# Altium PCB STM32G474CBT6_PCB.PcbDoc
Units mil, origin at the board's own origin, x right, y up, seen from the top; angles counter-clockwise.
Board outline 2260 x 2970 mil, 2 copper layers (Top Layer, Bottom Layer); 56 components, 45 nets, 172 pads, 421 vias.
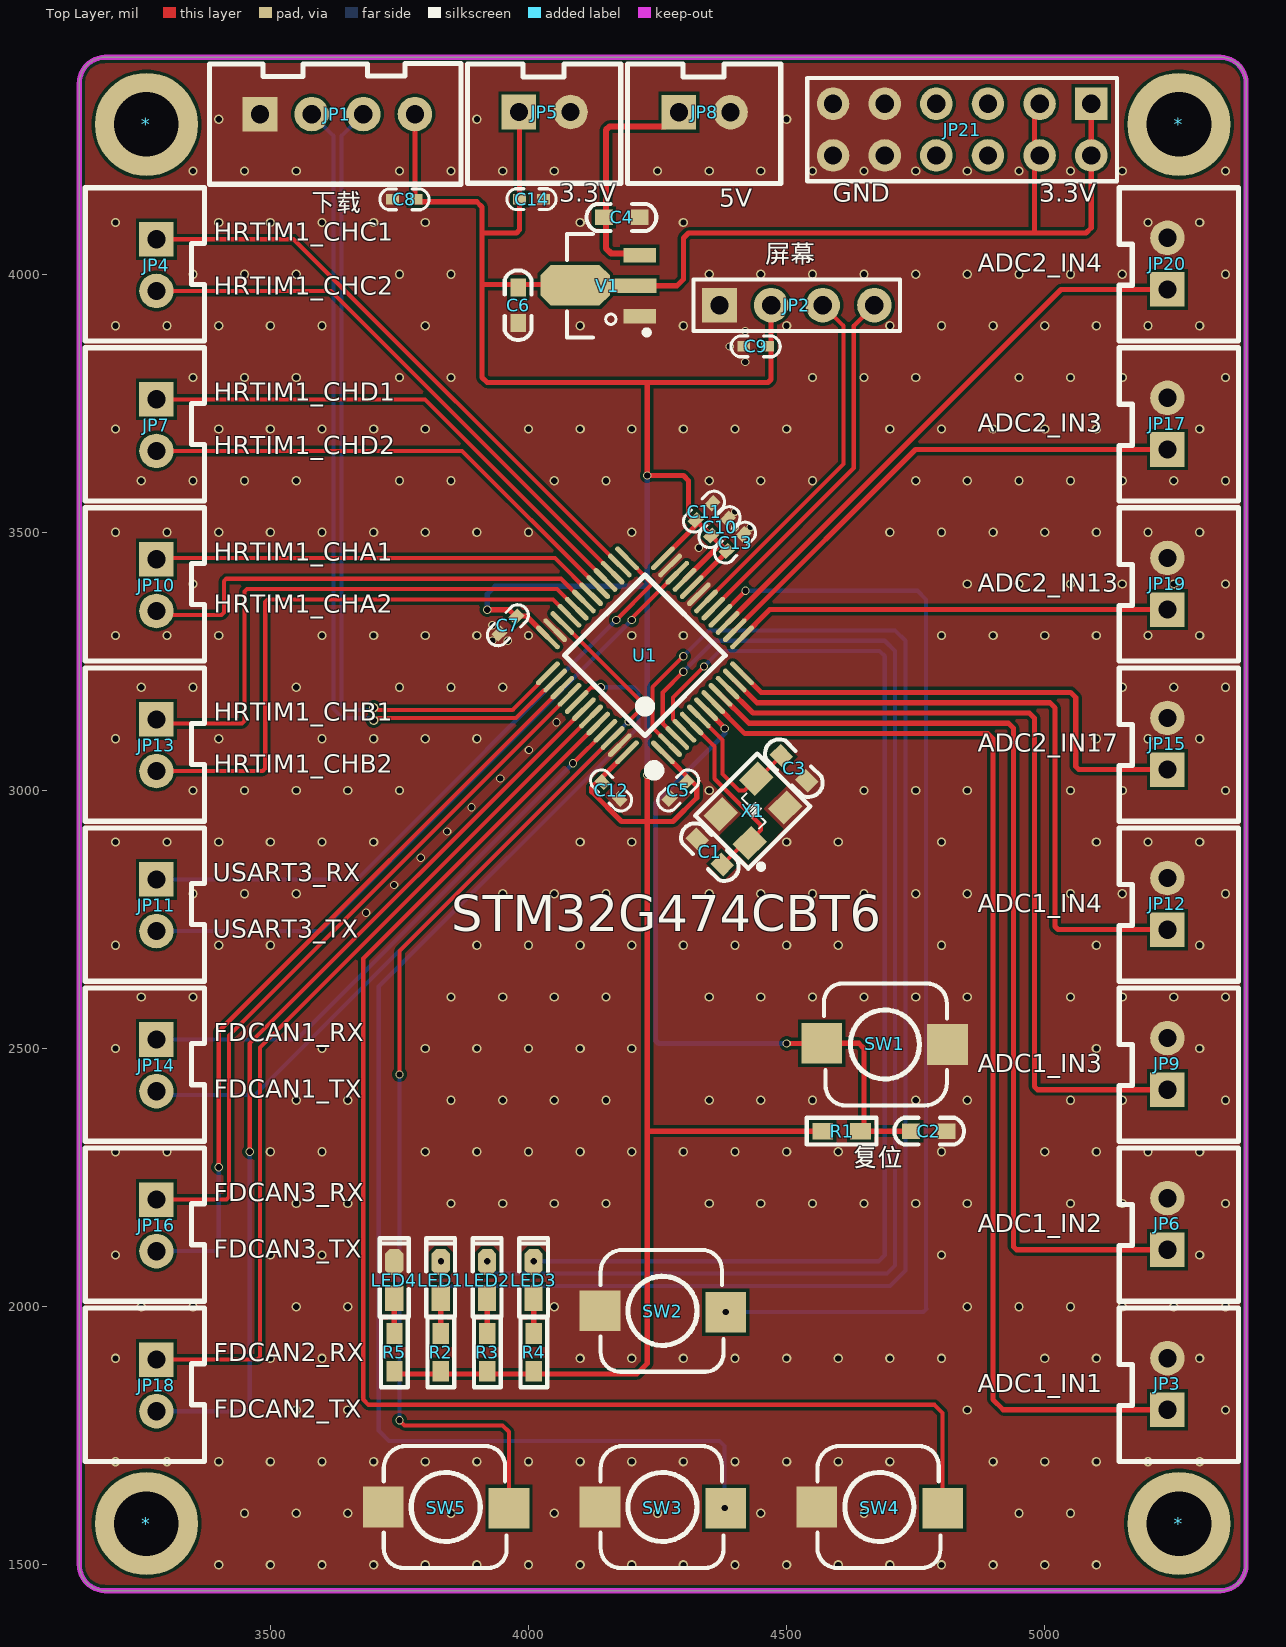
[diagram p0: Top Layer view]
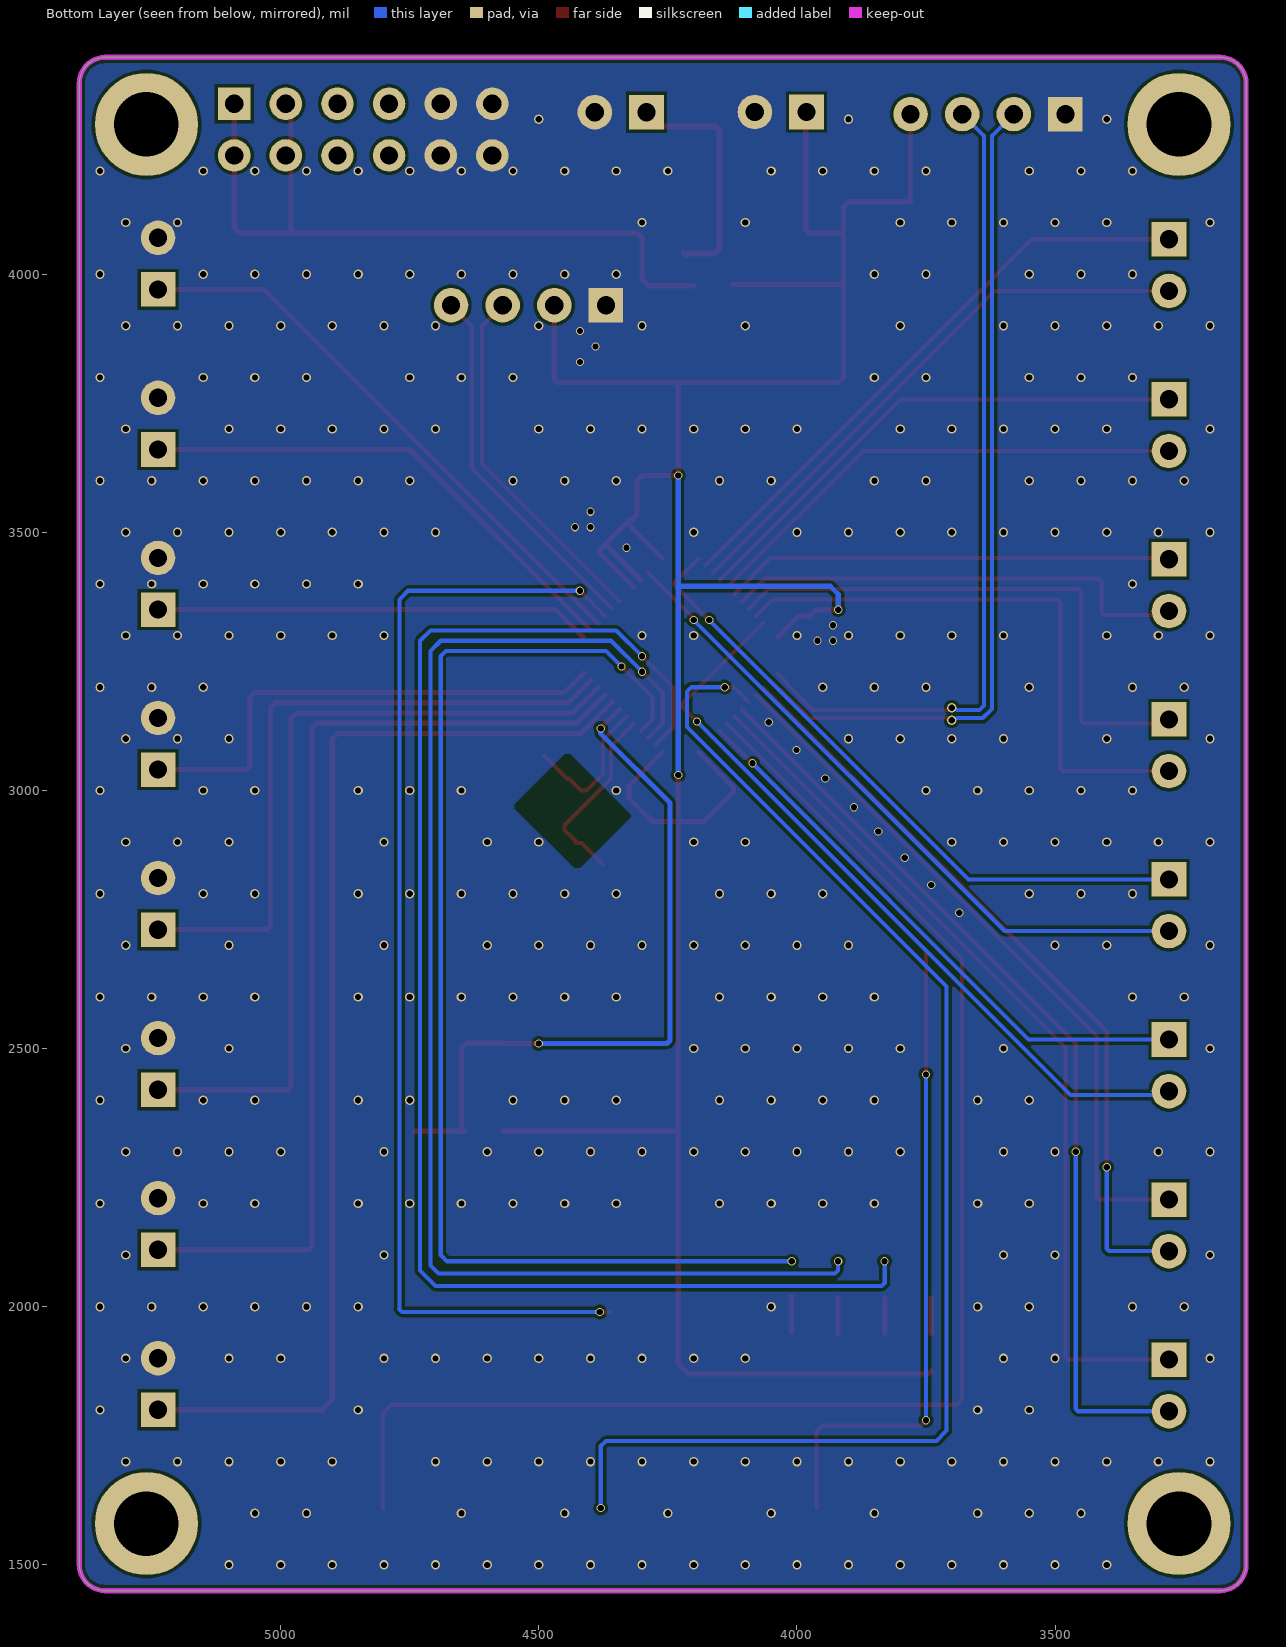
[diagram p1: Bottom Layer view, seen from below]

## Layer stack, top to bottom
Top Solder: solder mask 0.4, Solder Resist, Dk 3.5
Top Layer: signal copper 1.4
Dielectric 1: dielectric 12.6, FR-4, Dk 4.8
Bottom Layer: signal copper 1.4
Bottom Solder: solder mask 0.4, Solder Resist, Dk 3.5

## Board outline
3130,1500 3130,4370 cw(c3180,4370) 3180,4420 5340,4420 cw(c5340,4370) 5390,4370 5390,1500 cw(c5340,1500) 5340,1450 3180,1450 cw(c3180,1500)

## Design rules (kind name [scope] priority, off if disabled: settings)
Clearance [All] p1: gap=6 ignorepadtopadclearanceinfootprint=FALSE
DiffPairsRouting [All] p1: maxlimit=8 minlimit=8 mostfreqgap=8 toplayer_minwidth=8 toplayer_maxwidth=30 toplayer_prefwidth=8 bottomlayer_minwidth=8 bottomlayer_maxwidth=30 bottomlayer_prefwidth=8 maxuncoupledlength=500
PlaneConnect [All] p1: planeconnectstyle=Direct reliefexpansion=20 reliefentries=4 reliefconductorwidth=10 reliefairgap=10
PolygonConnect [All] p1: connectstyle=Direct reliefconductorwidth=10 reliefentries=4 polygonreliefangle="90 Angle" airgapwidth=10
RoutingVias [All] p1: holewidth=13 width=18 viastyle="Through Hole" minholewidth=13 minwidth=18 maxholewidth=13 maxwidth=18
SolderMaskExpansion [All] p1: expansion=4 istentingtop=FALSE
Width [All] p1: maxlimit=30 minlimit=8 preferedwidth=10 minimp=50.000000 maximp=50.000000 favimp=50.000000
28 further rules are at their usual default settings.

## Classes and differential pairs
component class STM32G474CBT6原理图: C1 C2 C3 C4 C5 C6 C7 C8 C9 C10 C11 C12 C13 C14 JP1 JP2 JP3 JP4 JP5 JP6 JP7 JP8 JP9 JP10 JP11 JP12 JP13 JP14 JP15 JP16 JP17 JP18 JP19 JP20 JP21 LED1 LED2 LED3 LED4 R1 R2 R3 R4 R5 SW1 SW2 SW3 SW4 SW5 U1 V1 X1

## Components (designator, comment, footprint, x,y, rotation, side; value= is the part's Value field where it differs from the comment)
* "M3" "M3 125X200" 3260,1580 r0 top
* "M3" "M3 125X200" 5260,1580 r0 top
* "M3" "M3 125X200" 5260,4290 r0 top
* "M3" "M3 125X200" 3260,4290 r0 top
C1 "22P" "C 0603" 4351.42,2880.59 r315 top
C2 "104" "C 0603" 4776,2340 r0 top
C3 "22P" "C 0603" 4514.06,3043.22 r135 top
C4 "104" "C 0603" 4180,4110 r180 top
C5 "104" "C 0402" 4290,3000 r45 top
C6 "104" "C 0603" 3980,3940 r90 top
C7 "104" "C 0402" 3960,3320 r45 top
C8 "104" "C 0402" 3759.67,4144.79 r0 top
C9 "104" "C 0402" 4440,3860 r0 top
C10 "104" "C 0402" 4370,3510 r225 top
C11 "104" "C 0402" 4340,3540 r225 top
C12 "104" "C 0402" 4160,3000 r135 top
C13 "104" "C 0402" 4400,3480 r225 top
C14 "104" "C 0402" 4005.87,4145.35 r180 top
JP1 "HDR-1X4" XH2.54-4P 3480,4310 r0 top
JP2 "HDR-1X4" HDR-1X4 4370,3940 r0 top
JP3 "HDR-1X2" XH2.54-2P 5237.55,1800.37 r90 top
JP4 "HDR-1X2" XH2.54-2P 3279.4,4067.57 r270 top
JP5 "HDR-1X2" XH2.54-2P 3981.47,4314.07 r0 top
JP6 "HDR-1X2" XH2.54-2P 5237.55,2110.37 r90 top
JP7 "HDR-1X2" XH2.54-2P 3279.4,3757.57 r270 top
JP8 "HDR-1X2" XH2.54-2P 4291.4,4313.74 r0 top
JP9 "HDR-1X2" XH2.54-2P 5237.55,2420.37 r90 top
JP10 "HDR-1X2" XH2.54-2P 3279.4,3447.57 r270 top
JP11 "HDR-1X2" XH2.54-2P 3279.4,2827.57 r270 top
JP12 "HDR-1X2" XH2.54-2P 5237.55,2730.37 r90 top
JP13 "HDR-1X2" XH2.54-2P 3279.4,3137.57 r270 top
JP14 "HDR-1X2" XH2.54-2P 3279.4,2517.57 r270 top
JP15 "HDR-1X2" XH2.54-2P 5237.55,3040.37 r90 top
JP16 "HDR-1X2" XH2.54-2P 3279.4,2207.57 r270 top
JP17 "HDR-1X2" XH2.54-2P 5237.55,3660.37 r90 top
JP18 "HDR-1X2" XH2.54-2P 3279.4,1897.57 r270 top
JP19 "HDR-1X2" XH2.54-2P 5237.55,3350.37 r90 top
JP20 "HDR-1X2" XH2.54-2P 5237.55,3970.37 r90 top
JP21 "Header 6X2" HDR-6X2 5090,4330 r180 top
LED1 "红色" "LED 0603B" 3830.26,2051.5 r90 top
LED2 "红色" "LED 0603B" 3920.26,2051.5 r90 top
LED3 "红色" "LED 0603B" 4010.26,2051.5 r90 top
LED4 "红色" "LED 0603B" 3740.26,2051.5 r90 top
R1 "10K" "R 0603" 4606.5,2340 r180 top
R2 "1K" "R 0603" 3830.26,1911.5 r270 top
R3 "1K" "R 0603" 3920.26,1911.5 r270 top
R4 "1K" "R 0603" 4010.26,1911.5 r270 top
R5 "1K" "R 0603" 3740.26,1911.5 r270 top
SW1 "3x6x5" 无声微动开关 4690,2510 r180 top
SW2 "3x6x5" 无声微动开关 4260,1990 r0 top
SW3 "3x6x5" 无声微动开关 4260,1610 r0 top
SW4 "3x6x5" 无声微动开关 4680,1610 r0 top
SW5 "3x6x5" 无声微动开关 3840,1610 r0 top
U1 "STM32G474CBT6" "LQFP48 7X7_L" 4225.6,3261.68 r45 top
V1 "AMS1117-3V3" SOT89_M 4134.48,3977.71 r90 top
X1 "8M" XTAL-3225 4429.2,2901.8 r135 top

## Footprints (in the part's own frame and the unit in brackets; to place one, negate y for a bottom-side part, rotate by r counter-clockwise, add the part's x,y. Pads: shape width x height; smd on the part's side, far side on the other; paste and mask are expansions set on the pad)
"C 0402" [mil] "无极性贴片电容"
  rect 25x20 smd: 1(-23,0.16) 2(23,0.16)
  silkscreen extent -48,-20 48,20, body extent -20,-10 20,10, height 20
"C 0603" [mil] "无极性贴片电容"
  rect 35x30 smd: 1(-35,0) 2(34,0)
  silkscreen extent -67,-26 67,26, body extent -31,-16 31,16, height 32
HDR-1X4 [mm] "排针，4脚"
  rect 1.7x1.7 hole 0.9: 1(0,0)
  round 1.7 hole 0.9: 2(2.54,0) 3(5.08,0) 4(7.62,0)
  silkscreen extent -1.27,-1.27 8.89,1.27, body extent -1.27,-1.27 8.89,1.27, height 8.5
HDR-6X2 [mm] "双排排针，6x2脚"
  rect 1.6x1.6 hole 0.9: 1(0,0)
  round 1.6 hole 0.9: 2(0,2.54) 3(2.54,0) 4(2.54,2.54) 5(5.08,0) 6(5.08,2.54) 7(7.62,0) 8(7.62,2.54) 9(10.16,0) 10(10.16,2.54) 11(12.7,0) 12(12.7,2.54)
  silkscreen extent -1.27,-1.27 13.97,3.81, body extent -1.27,-1.27 13.97,3.81, height 8.5
"LED 0603B" [mil] "蓝色0603LED"
  rect 50x35 smd: 1(-35,0.26)
  oct 50x35 smd: 2(35,0.26)
  silkscreen extent -71,-28 81,28, body extent -31,-16 32,16, height 24
"LQFP48 7X7_L" [mm] "48脚，体宽7x7mm，脚距0.5mm"
  oval 0.25x1.55 smd: 1(-2.75,-4) 2(-2.25,-4) 3(-1.75,-4) 4(-1.25,-4) 5(-0.75,-4) 6(-0.25,-4) 7(0.25,-4) 8(0.75,-4) 9(1.25,-4) 10(1.75,-4) 11(2.25,-4) 12(2.75,-4) 25(2.75,4) 26(2.25,4) 27(1.75,4) 28(1.25,4) 29(0.75,4) 30(0.25,4) 31(-0.25,4) 32(-0.75,4) 33(-1.25,4) 34(-1.75,4) 35(-2.25,4) 36(-2.75,4)
  oval 1.55x0.25 smd: 13(4,-2.75) 14(4,-2.25) 15(4,-1.75) 16(4,-1.25) 17(4,-0.75) 18(4,-0.25) 19(4,0.25) 20(4,0.75) 21(4,1.25) 22(4,1.75) 23(4,2.25) 24(4,2.75) 37(-4,2.75) 38(-4,2.25) 39(-4,1.75) 40(-4,1.25) 41(-4,0.75) 42(-4,0.25) 43(-4,-0.25) 44(-4,-0.75) 45(-4,-1.25) 46(-4,-1.75) 47(-4,-2.25) 48(-4,-2.75)
  silkscreen extent -3.93,-4.57 2.79,2.79, body extent -4.5,-4.5 4.5,4.5, height 1.45
"M3 125X200" [mil] "M3螺丝孔，孔125Mil，焊盘200Mil"
  round 200 hole 125: 0(0,0)
"R 0603" [mil] "1/10W贴片电阻"
  rect 40x31.5 smd: 1(-36.5,0) 2(36.5,0)
  silkscreen extent -68,-26 68,26, body extent -31,-16 32,16, height 16
SOT89_M [mm] "4.6x4.3x1.6mm(长宽高)"
  rect 0.7x1.6 smd: 1(-1.5,-2.054) 3(1.5,-2.054)
  rect 0.7x2.4 smd: 2(0,-1.676)
  oct 2x3.4 smd: 2(0.025,1.118)
  silkscreen extent -2.54,-2.53 2.54,1.52, body extent -2.3,-2.4 2.3,1.9, height 1.6
XH2.54-2P [mm] "接插件，2P"
  rect 1.7x1.7 hole 0.9: 1(0,0)
  round 1.7 hole 0.9: 2(2.54,0)
  silkscreen extent -2.54,-3.51 5.01,2.37, body extent -2.5,-3.3 5.04,2.4, height 7.05
XH2.54-4P [mm] "接插件，4P"
  rect 1.7x1.7 hole 0.9: 1(0,0)
  round 1.7 hole 0.9: 2(2.54,0) 3(5.08,0) 4(7.62,0)
  silkscreen extent -2.49,-3.45 9.88,2.49, body extent -2.5,-3.3 10.12,2.4, height 7.03
XTAL-3225 [mil]
  rect 43.31x51.18 smd: 1(-2,3) 2(-2,-94) 3(77,-94) 4(77,3)
  silkscreen extent -55,-130 110,40, body extent -13,-108 85,18, height 31
无声微动开关 [mm]
  rect 2x2 smd: 1(-3.089,0.053) 2(3.102,-0.011)
  silkscreen extent -3.06,-2.95 2.99,3.05, body extent -3.44,-3.38 3.42,3.48, height 2.4

## Part data
* * * *: "铜柱孔", BOM名称=铜柱孔, 学习资源=www.ooocke.com, 版权归属=源创客
C1 C3 C4 C5 C6 C7 C8 C9 C10 C11 C12 C13 C14: library part C, "无极性贴片电容", BOM名称=无极性贴片电容, 学习资源=www.ooocke.com, 版权归属=源创客
C2: library part C-CC, "直插瓷片电容", BOM名称=直插瓷片电容, 学习资源=www.ooocke.com, 版权归属=源创客
JP1 JP2: library part "Header 4", "4P接插件", BOM名称=4P接插件, 学习资源=www.ooocke.com, 版权归属=源创客
JP3 JP4 JP5 JP6 JP7 JP8 JP9 JP10 JP11 JP12 JP13 JP14 JP15 JP16 JP17 JP18 JP19 JP20: library part "Header 2", "2P接插件", BOM名称=2P接插件, 学习资源=www.ooocke.com, 版权归属=源创客
JP21: library part "Header  6X2", "6*2P接插件", BOM名称=6*2P接插件, 学习资源=www.ooocke.com, 版权归属=源创客
LED1 LED2 LED3 LED4: library part LED-SMD, "贴片LED", BOM名称=贴片LED, 学习资源=www.ooocke.com, 版权归属=源创客
R1: library part R-CRR, "直插色环电阻", BOM名称=色环电阻, 学习资源=www.ooocke.com, 版权归属=源创客
R2 R3 R4 R5: library part R, "贴片电阻", BOM名称=贴片电阻, 学习资源=www.ooocke.com, 版权归属=源创客
SW1 SW2 SW3 SW4 SW5: library part "TSW 3x6", "3x6轻触开关", BOM名称=3x6轻触开关, 学习资源=www.ooocke.com, 版权归属=源创客
V1: library part AMS1117, "三端稳压芯片", BOM名称=稳压芯片, 学习资源=www.ooocke.com, 版权归属=源创客
X1: library part XTAL-4, "4脚晶振", BOM名称=4脚晶振, 学习资源=www.ooocke.com, 版权归属=源创客

## Via types
v1: diameter 18, hole 12, Top Layer to Bottom Layer, tented both sides, 378 vias
v2: diameter 16/16 (per signal layer), hole 12, Top Layer to Bottom Layer, tented both sides, 41 vias
v3: diameter 18, hole 13, Top Layer to Bottom Layer, tented both sides, 2 vias

## Nets (pads, with @x,y where several pads share a name; then routed paths per layer and width w, separated by ;. In a path a pad name is that pad's centre, name@x,y a point inside that pad or via, vN(x,y) a via of type N, cw(c..) or ccw(c..) an arc to the next point about the centre after c; other vN are vias at no path point)
+3.3: C5.2 C6.2 C7.2 C8.2 C9.2 C10.2 C11.2 C12.2 C13.2 C14.2 JP1.4 JP2.2 JP5.1 JP21.1 JP21.2 JP21.3 JP21.4 R1.2 R2.2 R3.2 R4.2 R5.2 U1.1 U1.20 U1.21 U1.24 U1.36 U1.48 V1.2 | length 7571.2
  Top Layer w10: R5.2 3745.25,1870 4210,1870 4230,1890 4230,2340 ; C8.2@3780,4140 JP1.4 ; C8.2@3783,4140.16 3899.84,4140.16 3910,4130 3910,4080 ; v2(3920,3350) 3962.53,3350 C7.2 3977.92,3338.14 3996.03,3338.14 U1.36 ; JP5.1 3982.87,4312.68 C14.2 3982.87,4085.86 3977.01,4080 3910,4080 ; V1.2@4123.24,3980 3910,3980 ; U1.48 4122.66,3005.63 4122.66,2997.34 4180,2940 4230,2940 ; V1.2@4200.48,3977.71 4287.71,3977.71 4300,3990 4300,4070 4310,4080 4980,4080 ; v2(4230,3030) 4230,2940 ; U1.1 4325.86,3008.32 4325.86,2985.86 4280,2940 4230,2940 ; U1.24 C11.2@4329.14,3518.33 ; U1.21 4368.85,3474.53 4368.85,3478.63 ; U1.20 4316.07,3394.02 4383.85,3461.8 C13.2 4368.85,3478.63 ; JP2.2 4470,3795.86 4464.14,3790 4230,3790 ; R1.2 4230,2340 ; JP21.3@4975.14,4327.44 4980,4322.58 4980,4080 ; JP21.1 JP21.2 5090,4090 5080,4080 4980,4080 ; 3910,3980 3910,4080 ; 3910,3980 3910,3800 3920,3790 4230,3790 ; 4230,2340 4230,2940 ; 4230,3790 v2(4230,3610) 4300,3610 4310,3600 4310,3533.94 4320.31,3523.63 C11.2 C11.2@4329.14,3518.33 ; C11.2@4329.14,3518.33 C10.2 4368.85,3478.63
  Bottom Layer w10: v2(3920,3350) 3920,3380 3935.53,3395.53 4229.44,3395.53 ; v2(4230,3030) v2(4230,3610)
+5V: C4.2 JP8.1 V1.3 | length 462.3
  Top Layer w12: V1.3@4220,4041.41 V1.3 4212.11,4040 4160,4040 4150,4050 4150,4110 4150,4279.25 4157.03,4286.28 4263.94,4286.28 JP8.1
ADC1_IN1: JP3.1 U1.8 | length 2179.8
  Top Layer w10: U1.8 4419.05,3110 4890,3110 4900,3100 4900,1820 4919.63,1800.37 JP3.1@5220,1800.37
ADC1_IN2: JP6.1 U1.9 | length 1899.2
  Top Layer w10: U1.9 4426.88,3130 4930,3130 4939.63,3120.37 4939.63,2116.23 4945.49,2110.37 JP6.1
ADC1_IN3: JP9.1 U1.10 | length 1592.5
  Top Layer w10: U1.10 4434.72,3150 4970,3150 4980,3140 4980,2426.23 4985.86,2420.37 JP9.1
ADC1_IN4: JP12.1 U1.11 | length 1286.1
  Top Layer w10: U1.11 4442.56,3170 5010,3170 5020,3160 5020,2736.23 5025.86,2730.37 JP12.1
ADC2_IN3: JP17.1 U1.14 | length 982.9
  Top Layer w10: U1.14 4749.57,3660.37 JP17.1
ADC2_IN4: JP20.1 U1.15 | length 1119.5
  Top Layer w10: U1.15 5031.73,3970.37 JP20.1
ADC2_IN13: JP19.1 U1.13 | length 846.4
  Top Layer w10: U1.13 4467.41,3350.37 JP19.1
ADC2_IN17: JP15.1 U1.12 | length 979.7
  Top Layer w10: U1.12 4450.4,3190 5050,3190 5060,3180 5060,3046.23 5065.86,3040.37 JP15.1
FDCAN1_RX: JP14.1 U1.45 | length 1117.4
  Top Layer w8: v2@4086.16,3052.54 v2(4086.16,3052.64) U1.45
  Bottom Layer w8: JP14.1 3551.09,2517.57 v2(4086.16,3052.64)
FDCAN1_TX: JP14.2 U1.34 | length 1484
  Top Layer w8: U1.34 4221.61,3168.24 4221.61,3161.61 v2(4193.76,3133.76)
  Bottom Layer w8: JP14.2 3286.98,2410 3470,2410 v2(4193.76,3133.76)
FDCAN2_RX: JP18.2 U1.42 | length 1805.7
  Top Layer w8: v2(3460,2300) 3460,2510 U1.42
  Bottom Layer w8: JP18.2 3455.31,1797.57 3460,1802.26 v2(3460,2300)
FDCAN2_TX: JP18.1 U1.43 | length 1709.3
  Top Layer w8: JP18.1 3475.31,1897.57 3480,1902.26 3480,2502.16 U1.43
FDCAN3_RX: JP16.1 U1.40 | length 1388.6
  Top Layer w8: JP16.1 3415.31,2207.57 3420,2212.26 3420,2525.68 U1.40
FDCAN3_TX: JP16.2 U1.39 | length 1485
  Top Layer w8: v2(3400,2270) 3400,2533.52 U1.39
  Bottom Layer w8: JP16.2 3395.31,2107.57 3400,2112.26 v2(3400,2270)
GND: C1.1 C2.2 C3.1 C4.1 C5.1 C6.1 C7.1 C8.1 C9.1 C10.1 C11.1 C12.1 C13.1 C14.1 JP1.1 JP2.1 JP3.2 JP5.2 JP6.2 JP8.2 JP9.2 JP12.2 JP15.2 JP17.2 JP19.2 JP20.2 JP21.9 JP21.10 JP21.11 JP21.12 LED4.2 SW1.1 SW2.1 SW3.1 SW4.1 SW5.1 U1.19 U1.23 U1.35 U1.47 V1.1 X1.2 X1.4
  other v1: 3400,1500 3500,1500 3600,1500 3700,1500 3800,1500 3900,1500 4000,1500 4100,1500 4200,1500 4300,1500 4400,1500 4500,1500 4600,1500 4700,1500 4800,1500 4900,1500 5000,1500 5100,1500 3450,1600 3550,1600 3650,1600 3850,1600 4050,1600 4250,1600 4450,1600 4650,1600 4950,1600 5050,1600 3200,1700 3300,1700 3400,1700 3500,1700 3600,1700 3700,1700 3800,1700 3900,1700 4000,1700 4100,1700 4200,1700 4300,1700 4400,1700 4500,1700 4600,1700 4700,1700 4900,1700 5000,1700 5100,1700 5200,1700 5300,1700 3550,1800 3650,1800 4850,1800 5350,1800 3200,1900 3500,1900 3600,1900 4100,1900 4200,1900 4300,1900 4400,1900 4500,1900 4600,1900 4700,1900 4800,1900 5000,1900 5100,1900 5300,1900 3250,2000 3350,2000 3550,2000 3650,2000 4050,2000 4850,2000 4950,2000 5050,2000 5150,2000 5250,2000 5350,2000 3200,2100 3500,2100 3600,2100 4800,2100 5300,2100 3550,2200 3650,2200 3850,2200 3950,2200 4050,2200 4150,2200 4350,2200 4450,2200 4550,2200 4650,2200 4750,2200 4850,2200 5050,2200 5150,2200 5350,2200 3200,2300 3300,2300 3500,2300 3600,2300 3800,2300 3900,2300 4000,2300 4100,2300 4200,2300 4300,2300 4400,2300 4500,2300 4600,2300 4800,2300 5000,2300 5100,2300 5200,2300 5300,2300 3550,2400 3650,2400 3850,2400 3950,2400 4050,2400 4150,2400 4350,2400 4450,2400 4550,2400 4750,2400 4850,2400 5050,2400 5150,2400 5350,2400 3200,2500 3600,2500 3800,2500 3900,2500 4000,2500 4100,2500 4200,2500 5100,2500 5300,2500 3250,2600 3350,2600 3850,2600 3950,2600 4050,2600 4150,2600 4350,2600 4450,2600 4550,2600 4650,2600 4750,2600 4850,2600 5050,2600 5150,2600 5250,2600 5350,2600 3200,2700 3400,2700 3500,2700 3900,2700 4000,2700 4100,2700 4200,2700 4300,2700 4400,2700 4500,2700 4600,2700 4800,2700 5100,2700 5300,2700 3350,2800 3450,2800 3550,2800 3950,2800 4050,2800 4150,2800 4350,2800 4450,2800 4550,2800 4650,2800 4750,2800 4850,2800 5050,2800 5150,2800 5350,2800 3200,2900 3300,2900 3400,2900 3500,2900 3600,2900 3700,2900 4100,2900 4200,2900 4500,2900 4600,2900 4800,2900 5100,2900 5200,2900 5300,2900 3350,3000 3450,3000 3550,3000 3650,3000 3750,3000 4350,3000 4650,3000 4750,3000 4850,3000 5050,3000 5150,3000 5350,3000 3200,3100 3400,3100 3600,3100 3700,3100 3800,3100 3900,3100 5100,3100 5200,3100 5300,3100 3250,3200 3350,3200 3550,3200 3750,3200 3850,3200 3950,3200 5150,3200 5250,3200 5350,3200 3200,3300 3300,3300 3400,3300 3600,3300 3700,3300 3800,3300 3900,3300 4000,3300 4200,3300 4300,3300 4800,3300 4900,3300 5000,3300 5100,3300 5200,3300 5300,3300 3350,3400 4850,3400 4950,3400 5050,3400 5150,3400 5250,3400 5350,3400 3200,3500 3300,3500 3400,3500 3500,3500 3600,3500 3700,3500 3800,3500 3900,3500 4000,3500 4200,3500 4700,3500 4800,3500 4900,3500 5000,3500 5100,3500 5200,3500 5300,3500 3250,3600 3350,3600 3450,3600 3550,3600 3750,3600 3850,3600 4050,3600 4150,3600 4350,3600 4450,3600 4550,3600 4750,3600 4850,3600 4950,3600 5050,3600 5150,3600 5250,3600 5350,3600 3200,3700 3400,3700 3500,3700 3600,3700 3700,3700 3800,3700 4000,3700 4100,3700 4200,3700 4300,3700 4400,3700 4500,3700 4700,3700 4800,3700 4900,3700 5000,3700 5100,3700 5300,3700 3350,3800 3450,3800 3550,3800 3750,3800 3850,3800 4550,3800 4650,3800 4750,3800 4950,3800 5050,3800 5150,3800 5350,3800 3200,3900 3300,3900 3400,3900 3500,3900 3600,3900 3800,3900 4100,3900 4300,3900 4500,3900 4700,3900 4800,3900 4900,3900 5000,3900 5100,3900 5200,3900 5300,3900 3350,4000 3450,4000 3550,4000 3750,4000 3850,4000 4350,4000 4450,4000 4550,4000 4650,4000 4750,4000 4850,4000 4950,4000 5050,4000 5150,4000 5350,4000 3200,4100 3400,4100 3500,4100 3600,4100 3700,4100 3800,4100 4100,4100 4300,4100 5200,4100 5300,4100 3350,4200 3450,4200 3550,4200 3750,4200 3850,4200 3950,4200 4050,4200 4250,4200 4350,4200 4450,4200 4550,4200 4650,4200 4750,4200 4850,4200 4950,4200 5050,4200 5150,4200 5350,4200 3400,4300 3900,4300 4500,4300
  other v2: 3685.55,2763.23 3739.77,2816.67 3791.32,2869.46 3842.45,2920.44 3889.5,2967.48 3945.33,3023.33 4000.7,3078.49 4054.45,3131.91 3930,3290 3960,3290 3930,3320 4330,3470 4400,3510 4430,3510 4400,3540 4420,3830 4390,3860 4420,3890
HRTIM1_CHA1: JP10.1 U1.30 | length 871.8
  Top Layer w8: JP10.1 3281.83,3450 4051.21,3450 U1.30
HRTIM1_CHA2: JP10.2 U1.31 | length 913.7
  Top Layer w8: JP10.2 3286.98,3340 3405.31,3340 3410,3344.69 3410,3405.31 3414.69,3410 4062.87,3410 4106.8,3366.07 U1.31
HRTIM1_CHB1: JP13.1 U1.32 | length 1087.3
  Top Layer w8: JP13.1 3286.98,3130 3445.31,3130 3450,3134.69 3450,3385.31 3454.69,3390 4055.03,3390 4092.88,3352.15 U1.32
HRTIM1_CHB2: JP13.2 U1.33 | length 1140.2
  Top Layer w8: JP13.2 3485.31,3037.57 3490,3042.26 3490,3365.31 3494.69,3370 4047.69,3370 U1.33
HRTIM1_CHC1: JP4.1 U1.26 | length 1159.2
  Top Layer w8: JP4.1 3544.99,4067.57 U1.26
HRTIM1_CHC2: JP4.2 U1.27 | length 1109.7
  Top Layer w8: JP4.2 3617.15,3967.57 U1.27
HRTIM1_CHD1: JP7.1 U1.28 | length 1014.5
  Top Layer w8: JP7.1 3799.31,3757.57 U1.28
HRTIM1_CHD2: JP7.2 U1.29 | length 964.9
  Top Layer w8: JP7.2 3871.47,3657.57 U1.29
KEY_BACKWARD: SW5.2 U1.46 | length 1862.3
  Top Layer w8: v2(3750,1780) 3760,1770 3950,1770 3962.13,1757.87 SW5.2 ; v2(3750,2450) 3750,2688.64 U1.46
  Bottom Layer w8: v2(3750,1780) v2(3750,2450)
KEY_DOWN: SW3.2 U1.41 | length 2576.8
  Top Layer w8: U1.41 4122.16,3200 v2(4140,3200)
  Bottom Layer w8: v2(4140,3200) 4204,3200 4212.76,3191.24 4212.76,3122.76 3710,2620 3710,1760 3730,1740 4370,1740 4380,1730 v2(4380,1610)
KEY_FORWARD: SW4.2 U1.44 | length 2815.4
  Top Layer w8: U1.44 3680,2674.32 3680,1820 3690,1810 4786.27,1810 4802.13,1794.14 SW4.2
KEY_UP: SW2.2 U1.16 | length 2211.1
  Top Layer w8: U1.16 v2@4420.32,3386.8
  Top Layer w10: SW2.2@4362.13,1989.57 v2(4382.13,1989.57) ; v2@4420.32,3386.8 v2(4420.48,3386.8)
  Bottom Layer w8: v2(4382.13,1989.57) 4764.61,1989.57 4770.89,1995.86 ; v2(4420.48,3386.8) 4753.2,3386.8 4770,3370 4770,1995.56
LED1: LED1.2 U1.2 | length 2847.5
  Top Layer w8: U1.2 4274.31,3087.81 4240,3122.12 4240,3200 v2(4300,3260)
  Bottom Layer w8: v2(3830.26,2088) 3830,2087.74 3830,2045.86 3835.86,2040 4700,2040 4730,2070 4730,3290 4710,3310 4350,3310 v2(4300,3260)
LED2: LED2.2 U1.3 | length 2605.9
  Top Layer w8: U1.3 4288.23,3101.73 4260,3129.96 4260,3190 v2(4300,3230)
  Bottom Layer w8: v2(3920.26,2088) 3920.26,2070.46 3926.11,2064.6 4694.6,2064.6 4710,2080 4710,3270 4690,3290 4360,3290 v2(4300,3230)
LED3: LED3.2 U1.4 | length 2368.9
  Top Layer w8: U1.4 4302.15,3115.65 4280,3137.8 4280,3180 v2(4340,3240)
  Bottom Layer w8: v2@4011.12,2088 4678,2088 4690,2100 4690,3260 4680,3270 4370,3270 v2(4340,3240)
  other v2: 4010.26,2088
NetLED1_1: LED1.1 R2.1 | length 68.6
  Top Layer w10: LED1.1 3830,1948.25 R2.1
NetLED2_1: LED2.1 R3.1 | length 68.6
  Top Layer w10: LED2.1 3920.26,2016.24 R3.1
NetLED3_1: LED3.1 R4.1 | length 68.6
  Top Layer w10: LED3.1@4010,2020 4010.26,2019.74 R4.1@4010.26,1951.5
NetLED4_1: LED4.1 R5.1 | length 68.6
  Top Layer w10: LED4.1 3740,1948.25 R5.1
OSC_IN: C1.2 U1.5 X1.1 | length 365.9
  Top Layer w8: U1.5 4360,3085.53 4360,3022.64 4450,2932.64 4450,2923.3 4428.5,2901.79 X1.1 4417.18,2898.27 C1.2
OSC_OUT: C3.2 U1.6 X1.3 | length 285.6
  Top Layer w8: U1.6 4376,3097.37 4376,3031.92 4407.92,3000 4418.51,3000 X1.3 4445.47,3022.72 C3.2
RESET: C2.1 R1.1 SW1.2 U1.7 | length 1383.7
  Top Layer w10: U1.7 4343.91,3157.19 4380,3121.1 v2(4380,3120) ; v2(4500,2510) 4567.45,2510 SW1.2 4639.57,2510.43 4650,2500 4650,2347 R1.1 C2.1
  Bottom Layer w10: v2(4380,3120) 4380,3110 4246,2976 4246,2515.86 4251.86,2510 v2(4500,2510)
SCL: JP2.3 U1.18 | length 700.7
  Top Layer w8: U1.18 4610,3632.16 4610,3900 JP2.3
SDA: JP2.4 U1.17 | length 717.2
  Top Layer w8: U1.17 4630,3624.32 4630,3900 JP2.4
SWCLK: JP1.2 U1.38 | length 1628.6
  Top Layer w8: v3(3700,3136) 3701.91,3137.91 3707.6,3137.91 3709.69,3140 3976.04,3140 4030.57,3194.53 4033.17,3194.53 U1.38
  Bottom Layer w8: JP1.2 3622,4268 3622,3158.06 3640.06,3140 3690.31,3140
SWDIO: JP1.3 U1.37 | length 1588.9
  Top Layer w8: v3(3700,3160) 3701.91,3158.09 3707.6,3158.09 3709.69,3156 3969.41,3156 4019.25,3205.84 4019.25,3208.45 U1.37
  Bottom Layer w8: JP1.3 3638,4268 3638,3164.69 3646.69,3156 3690.31,3156
USART3_RX: JP11.1 U1.25 | length 1264.9
  Top Layer w8: v2(4170,3330) 4236.69,3396.69 4236.69,3403.31 4190.82,3449.18 U1.25
  Bottom Layer w8: JP11.1 3667.57,2827.57 v2(4170,3330)
USART3_TX: JP11.2 U1.22 | length 1298.4
  Top Layer w8: v2(4200,3330) 4201.53,3331.53 4201.53,3335.05 U1.22
  Bottom Layer w8: JP11.2 3597.57,2727.57 v2(4200,3330)
pads on no net: *.0 JP21.5 JP21.6 JP21.7 JP21.8

## Polygon pours and split planes (outlines as drawn)
GND on Top Layer "PGND_L02_P-001" (solid, remove dead copper, pour order 0): 3130,4370 cw(c3180,4370) 3180,4420 5340,4420 cw(c5340,4370) 5390,4370 5390,1500 cw(c5340,1500) 5340,1450 3180,1450 cw(c3180,1500) 3130,1500
GND on Bottom Layer "PGND_L02_P-001" (solid, remove dead copper, pour order 1): 3130,4370 cw(c3180,4370) 3180,4420 5340,4420 cw(c5340,4370) 5390,4370 5390,1500 cw(c5340,1500) 5340,1450 3180,1450 cw(c3180,1500) 3130,1500

## Keep-outs
Keep-Out Layer:
  lines w10: 3130,1500 ccw(c3180,1500) 3180,1450 5340,1450 ccw(c5340,1500) 5390,1500 5390,4370 ccw(c5340,4370) 5340,4420 5228.06,4420 3180,4420 ccw(c3180,4370) 3130,4370 3130,2660 3130,1500

## Other copper
Top Layer:
  pour cut-out: 4470.39,2901.05 4493.7,2924.37 4493.7,2925.49 4455.94,2963.25 4455.94,2965.05 4499.45,3008.57 4499.45,3009.26 4483.22,3025.49 4476.17,3025.49 4437.97,2987.29 4429.58,2995.67 4416.04,2995.67 4409.03,2988.67 4409.03,2983.78 4457.03,2935.79 4457.03,2920.61 4452.57,2916.15 4467.66,2901.05
  pour cut-out: 4412.95,2955.27 4369.6,2911.91 4369.6,2910.97 4393.21,2887.36 4394.09,2887.36 4394.09,2889.54 4393.2,2890.43 4393.2,2897.19 4431.17,2935.17 4431.17,2940.08
Bottom Layer:
  pour cut-out: 4321.95,2948.05 4321.95,2952.45 4439.5,3070 4450,3070 4546.28,2973.72 4546.28,2964.59 4431.69,2850 4420,2850

## Silkscreen, mask and mechanical layers (free items; w line width, h text height)
Top Overlay:
  text "3.3V" at 4059.21,4128.99 h60
  text "GND" at 4589.13,4128.89 h60
  text "3.3V" at 4989.21,4128.99 h60
  text "5V" at 4369.08,4119.12 h60
  text "下载" at 3578.92,4109.99 h60
  text "HRTIM1_CHC1" at 3390,4053.01 h60
  text "屏幕" at 4459.04,4010.41 h60
  text "ADC2_IN4" at 4870,3992.88 h60
  text "HRTIM1_CHC2" at 3390.46,3948.17 h60
  text "HRTIM1_CHD1" at 3390,3743.01 h60
  text "ADC2_IN3" at 4870,3682.88 h60
  text "HRTIM1_CHD2" at 3389.99,3639.26 h60
  text "HRTIM1_CHA1" at 3390,3432.88 h60
  text "ADC2_IN13" at 4870,3372.88 h60
  text "HRTIM1_CHA2" at 3390,3332.88 h60
  text "HRTIM1_CHB1" at 3390,3123.01 h60
  text "ADC2_IN17" at 4870,3062.88 h60
  text "HRTIM1_CHB2" at 3390,3023.01 h60
  text "USART3_RX" at 3388.88,2812.88 h60
  text "ADC1_IN4" at 4870,2752.88 h60
  text "STM32G474CBT6" at 3850,2704.47 h120
  text "USART3_TX" at 3388.88,2702.88 h60
  text "FDCAN1_RX" at 3390,2502.88 h60
  text "ADC1_IN3" at 4870,2442.88 h60
  text "FDCAN1_TX" at 3390,2392.88 h60
  text "复位" at 4628.54,2260.18 h60
  text "FDCAN3_RX" at 3390,2192.88 h60
  text "ADC1_IN2" at 4870,2132.88 h60
  text "FDCAN3_TX" at 3390,2082.88 h60
  text "FDCAN2_RX" at 3390,1882.88 h60
  text "ADC1_IN1" at 4870,1822.88 h60
  text "FDCAN2_TX" at 3390,1772.88 h60